# EAGLE board D-M-005_otherEagle (EAGLE 9.7.0), part 1 of 2
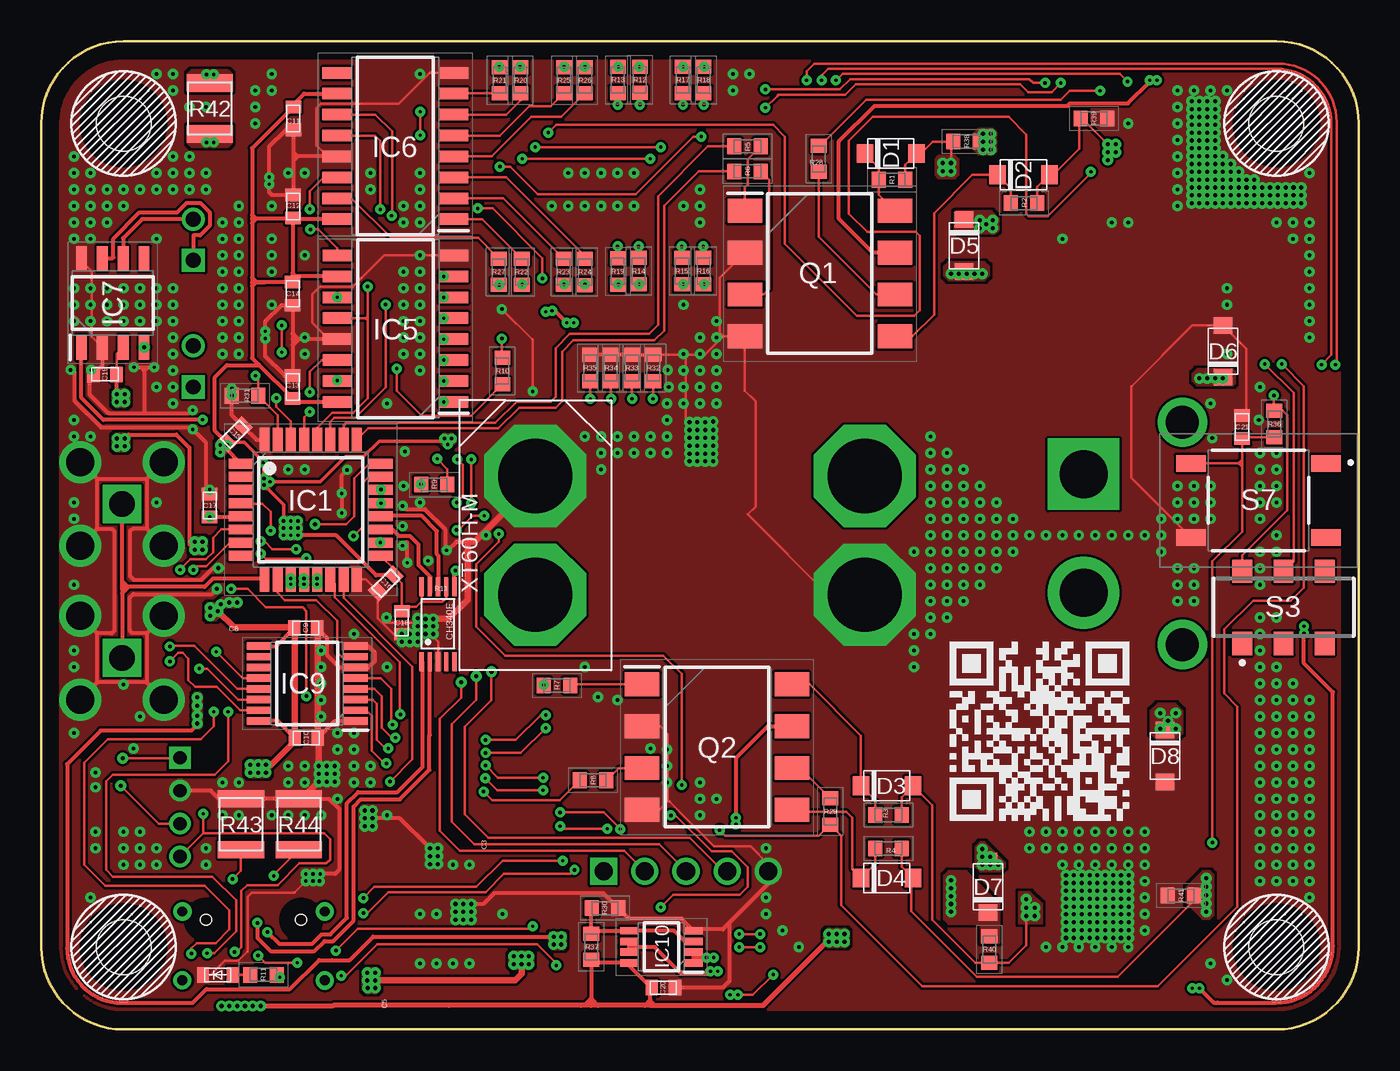
[diagram p0: board, top side]
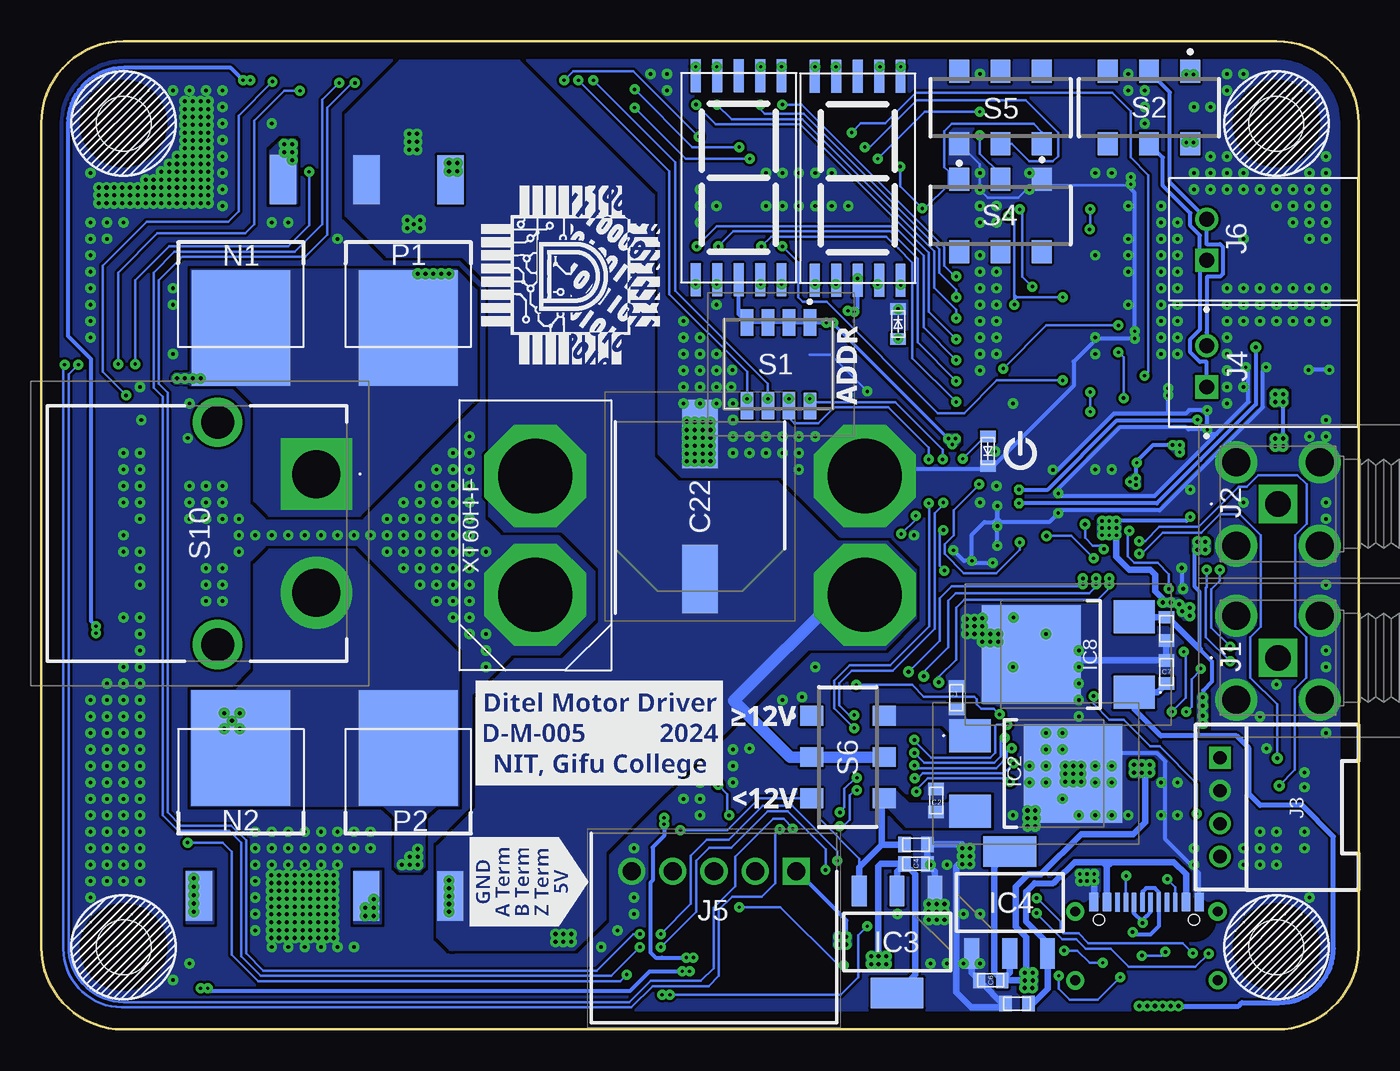
[diagram p1: board, bottom side, seen from below]

Size 80 x 60 mm. Coordinates in mm from the lower left corner, seen from the top.
Outline: 0,55 arc-90 5,60 75,60 arc-90 80,55 80,5 arc-90 75,0 5,0 arc-90 0,5 0,55
Copper layers (1*16): Top 0.035mm / dielectric 1.5mm / Bottom 0.035mm
Design rules "default *": minimum track width 6mil, minimum drill 0.099mm, track to track 6mil, track to pad 6mil, pad to pad 6mil, via to via 6mil, smd to smd 6mil, copper to edge 40mil, drill to drill 6mil, minimum pad ring 10mil, minimum via ring 8mil, stop-mask expansion 4mil, vias tented up to drill 0.2mm, thermal gap 10mil
Holes 3.3 mm at 5,55 5,5 75,55 75,5

## Footprints (pad centres in the part's own frame; a part is rotated, then mirrored left to right if it is on the bottom)
GL9D03M = smd 0.6 x 2: 1 0,-12.42; 2 1.3,-12.42; 3 2.6,-12.42; 4 3.9,-12.42; 5 5.2,-12.42; 6 5.2,-0.02; 7 3.9,-0.02; 8 2.6,-0.02; 9 1.3,-0.02; 10 0,-0.02
CAPC1608X90N = smd 0.75 x 0.94: 1 -0.7,0; 2 0.7,0
CAPAE1030X1080N = smd 4.15 x 2.15: 1 -4.4,0; 2 4.4,0
SODFL3618X110N = smd 1 x 1.13: 1 -1.575,0; 2 1.575,0
LEDC1608X36N = smd 0.7 x 0.95: 1 -0.9,0; 2 0.9,0
QFP80P900X900X160-32N = smd 1.475 x 0.6: 1 -4.238,2.8; 2 -4.238,2; 3 -4.238,1.2; 4 -4.238,0.4; 5 -4.238,-0.4; 6 -4.238,-1.2; 7 -4.238,-2; 8 -4.238,-2.8; 17 4.238,-2.8; 18 4.238,-2; 19 4.238,-1.2; 20 4.238,-0.4; 21 4.238,0.4; 22 4.238,1.2; 23 4.238,2; 24 4.238,2.8 | smd 0.6 x 1.475: 9 -2.8,-4.238; 10 -2,-4.238; 11 -1.2,-4.238; 12 -0.4,-4.238; 13 0.4,-4.238; 14 1.2,-4.238; 15 2,-4.238; 16 2.8,-4.238; 25 2.8,4.238; 26 2,4.238; 27 1.2,4.238; 28 0.4,4.238; 29 -0.4,4.238; 30 -1.2,4.238; 31 -2,4.238; 32 -2.8,4.238
NJM7812SDL1 = smd 2 x 2.5: 1 -2.3,-4.055; 3 2.3,-4.055 | smd 6 x 6: 2 0,2.195
SOT230P700X180-4N = smd 1.85 x 0.9: 1 -3.1,2.3; 2 -3.1,0; 3 -3.1,-2.3 | smd 1.85 x 3.2: 4 3.1,0
SOIC127P780X190-16N = smd 1.775 x 0.7: 1 -3.538,4.445; 2 -3.538,3.175; 3 -3.538,1.905; 4 -3.538,0.635; 5 -3.538,-0.635; 6 -3.538,-1.905; 7 -3.538,-3.175; 8 -3.538,-4.445; 9 3.538,-4.445; 10 3.538,-3.175; 11 3.538,-1.905; 12 3.538,-0.635; 13 3.538,0.635; 14 3.538,1.905; 15 3.538,3.175; 16 3.538,4.445
SOIC127P600X175-8N = smd 1.5 x 0.65: 1 -2.7,1.905; 2 -2.7,0.635; 3 -2.7,-0.635; 4 -2.7,-1.905; 5 2.7,-1.905; 6 2.7,-0.635; 7 2.7,0.635; 8 2.7,1.905
NJM7805SDL1TE1 = smd 2 x 2.5: 1 -2.3,-4.055; 3 2.3,-4.055 | smd 6 x 6: 2 0,2.195
SOP65P640X120-16N = smd 1.475 x 0.45: 1 -2.938,2.275; 2 -2.938,1.625; 3 -2.938,0.975; 4 -2.938,0.325; 5 -2.938,-0.325; 6 -2.938,-0.975; 7 -2.938,-1.625; 8 -2.938,-2.275; 9 2.938,-2.275; 10 2.938,-1.625; 11 2.938,-0.975; 12 2.938,-0.325; 13 2.938,0.325; 14 2.938,0.975; 15 2.938,1.625; 16 2.938,2.275
SOP65P400X100-8N = smd 1.1 x 0.45: 1 -1.95,0.975; 2 -1.95,0.325; 3 -1.95,-0.325; 4 -1.95,-0.975; 5 1.95,-0.975; 6 1.95,-0.325; 7 1.95,0.325; 8 1.95,0.975
CH340E = smd 1.15 x 0.25: CTS# 0,-2; GND 0,-1; RTS# 0,-1.5; RXD 4.55,-0.5; TNOW 4.55,-2; TXD 4.55,-1; UD+ 0,0; UD- 0,-0.5; V3 4.55,0; VCC 4.55,-1.5
S037TGG = drill 1.55 pad 2.325 square: 1 0,0 | drill 1.7 pad 2.55: 2 -2.54,-2.54; 3 2.54,-2.54; 4 2.54,2.54; 5 -2.54,2.54
HW4-2.0-90D = drill 0.8 pad 1.27 square: 1 -3,0 | drill 0.8 pad 1.27: 2 -1,0; 3 1,0; 4 3,0
S2B-XH-A = drill 0.9 square: 1 0,0 | drill 0.9: 2 2.5,0
SHDRRA5W64P0X250_1X5_1490X1150 = drill 1.1 pad 1.65 square: 1 0,0 | drill 1.1 pad 1.65: 2 2.5,0; 3 5,0; 4 7.5,0; 5 10,0
NP52N06SLG-E1-AY = smd 6 x 7: D 0,0.11 | smd 1.6 x 3: G -2.55,-8.89; S 2.55,-8.89
TJ60S04M3L = smd 6 x 7: D 0,0.11 | smd 1.6 x 3: G -2.55,-8.89; S 2.55,-8.89
SOP254P1016X460-8N = smd 2.1 x 1.45: 1 -4.55,3.81; 2 -4.55,1.27; 3 -4.55,-1.27; 4 -4.55,-3.81; 5 4.55,-3.81; 6 4.55,-1.27; 7 4.55,1.27; 8 4.55,3.81
RESC1608X55N = smd 0.85 x 0.95: 1 -0.8,0; 2 0.8,0
RESC3226X70N = smd 1.05 x 2.8: 1 -1.55,0; 2 1.55,0
CHS04TA1 = smd 0.76 x 1.6: 1 -1.905,-2.54; 2 -0.635,-2.54; 3 0.635,-2.54; 4 1.905,-2.54; 5 1.905,2.54; 6 0.635,2.54; 7 -0.635,2.54; 8 -1.905,2.54
SSSS213202 = smd 1.2 x 1.4: 1 -2.5,-2.2; 2 0,-2.2; 3 2.5,-2.2; 4 -2.5,2.2; 5 0,2.2; 6 2.5,2.2
TS06104 = smd 1.8 x 1: A1 4.1,2.25; B1 -4.1,2.25; C1 4.1,-2.25; D1 -4.1,-2.25
XT60H-M = drill 4.5 pad 6.2 octagon: + -3.6,0; - 3.6,0
XT60H-F = drill 4.5 pad 6.2 octagon: + -3.6,0; - 3.6,0
XT60PWM = drill 2.9 pad 4.35 square: 1 0,0 | drill 2.9 pad 4.35: 2 7.2,0 | drill 2 pad 3: MH1 -3.15,-6; MH2 10.35,-6
5077CR-16-SMC2-BK-TR = smd 0.6 x 1.14: A1,B12:GND -3.2,0; A4,B9:VBUS -2.4,0; B1,A12:GND 3.2,0; B4,A9:VBUS 2.4,0 | smd 0.3 x 1.14: A5:CC1 -1.25,0; A6:DP1 -0.25,0; A7:DN1 0.25,0; A8:SBU1 1.25,0; B5:CC2 1.75,0; B6:DP2 0.75,0; B7:DN2 -0.75,0; B8:SBU2 -1.75,0 | drill 0.6 pad 1 slot 1.7 rotated 90: SHEILED1 -4.321,-0.571; SHEILED2 4.32,-0.571 | drill 0.6 pad 1 slot 1.4 rotated 90: SHEILED3 -4.321,-4.751; SHEILED4 4.321,-4.747 | hole 0.65: -2.89,-1.07; 2.89,-1.07

## Placement (x,y rotation side)
7SEG1  GL9D03M  [GL9D03M]  40.25,57.93 0 bottom
7SEG2  GL9D03M  [GL9D03M]  33.03,57.9 0 bottom
C1  GRM188F11H104ZA01D  [CAPC1608X90N]  24.44,20.14 90 bottom
C2  GRM188F11H104ZA01D  [CAPC1608X90N]  25.66,13.89 270 bottom
C3  GRM188F11H104ZA01D  [CAPC1608X90N]  26.88,11.22 180 bottom
C4  GRM188F11H104ZA01D  [CAPC1608X90N]  26.89,10.05 180 bottom
C5  GRM188F11H104ZA01D  [CAPC1608X90N]  20.76,1.56 0 bottom
C6  GRM188F11H104ZA01D  [CAPC1608X90N]  22.35,2.98 0 bottom
C7  GRM188F11H104ZA01D  [CAPC1608X90N]  11.68,21.71 90 bottom
C8  GRM188F11H104ZA01D  [CAPC1608X90N]  11.68,24.32 270 bottom
C9  GRM188F11H104ZA01D  [CAPC1608X90N]  16.06,24.37 180 top
C10  GRM188F11H104ZA01D  [CAPC1608X90N]  16.09,17.69 180 top
C11  GRM188F11H104ZA01D  [CAPC1608X90N]  15.31,55.3 90 top
C12  GRM188F11H104ZA01D  [CAPC1608X90N]  15.3,49.95 270 top
C13  GRM188F11H104ZA01D  [CAPC1608X90N]  15.26,39.01 270 top
C14  GRM188F11H104ZA01D  [CAPC1608X90N]  15.27,44.67 90 top
C15  GRM188F11H104ZA01D  [CAPC1608X90N]  11.76,36.13 225 top
C16  GRM188F11H104ZA01D  [CAPC1608X90N]  20.93,27.08 45 top
C17  GRM188F11H104ZA01D  [CAPC1608X90N]  10.23,31.81 270 top
C18  GRM188F11H104ZA01D  [CAPC1608X90N]  21.9,24.69 90 top
C19  GRM188F11H104ZA01D  [CAPC1608X90N]  3.88,39.78 0 top
C20  GRM188F11H104ZA01D  [CAPC1608X90N]  37.77,2.54 180 top
C21  GRM188F11H104ZA01D  [CAPC1608X90N]  72.91,36.57 270 top
C22  UUD1H221MNL1GS  [CAPAE1030X1080N]  40,31.75 90 bottom
D1  GS1010FL  [SODFL3618X110N]  51.58,53.18 0 top
D2  GS1010FL  [SODFL3618X110N]  59.64,51.89 0 top
D3  GS1010FL  [SODFL3618X110N]  51.34,14.79 0 top
D4  GS1010FL  [SODFL3618X110N]  51.34,9.2 0 top
D5  GS1010FL  [SODFL3618X110N]  56.03,47.59 270 top
D6  GS1010FL  [SODFL3618X110N]  71.75,41.18 90 top
D7  GS1010FL  [SODFL3618X110N]  57.49,8.66 90 top
D8  GS1010FL  [SODFL3618X110N]  68.23,16.6 270 top
DATA_TRANSMISSION_LED  SML-E12P8WT86  [LEDC1608X36N]  10.72,3.31 0 top
IC1  STM32F303K8T6  [QFP80P900X900X160-32N]  16.36,31.55 0 top
IC2  NJM7812SDL1  [NJM7812SDL1]  19.55,15.53 270 bottom
IC3  AZ1117CH-3.3TRG1  [SOT230P700X180-4N]  28.04,5.32 270 bottom
IC4  AZ1117CH-3.3TRG1  [SOT230P700X180-4N]  21.2,7.7 90 bottom
IC5  TC74HC595AF  [SOIC127P780X190-16N]  21.51,42.55 180 top
IC6  TC74HC595AF  [SOIC127P780X190-16N]  21.5,53.64 180 top
IC7  MCP2561T-H_SN  [SOIC127P600X175-8N]  4.35,44.11 90 top
IC8  NJM7805SDL1-TE1  [NJM7805SDL1TE1]  17.7,22.77 90 bottom
IC9  SN74LV166APWR  [SOP65P640X120-16N]  16.15,21 180 top
IC10  NJM2904M-TE1  [SOP65P400X100-8N]  37.65,5.01 180 top
IC11  CH340E  [CH340E]  23.09,22.33 90 top
J1  S-037-TGG  [S037TGG]  4.91,22.56 180 bottom
J2  S-037-TGG  [S037TGG]  4.91,31.91 180 bottom
J3  4P-2.0-90D  [HW4-2.0-90D]  8.42,13.49 270 bottom
J4  S2B-XH-A  [S2B-XH-A]  9.24,39.01 90 bottom
J5  S5B-XH-A_LF__SN_  [SHDRRA5W64P0X250_1X5_1490X1150]  34.15,9.6 180 bottom
J6  S2B-XH-A  [S2B-XH-A]  9.24,46.7 90 bottom
N1  NP52N06SLG-E1-AY  [NP52N06SLG-E1-AY]  67.87,42.7 180 bottom
N2  NP52N06SLG-E1-AY  [NP52N06SLG-E1-AY]  67.88,16.98 0 bottom
P1  TJ60S04M3L  [TJ60S04M3L]  57.71,42.7 180 bottom
P2  TJ60S04M3L  [TJ60S04M3L]  57.72,16.98 0 bottom
POWER_LED  SML-E12P8WT86  [LEDC1608X36N]  22.52,35.11 90 bottom
Q1  TLP621-2SMT_R  [SOP254P1016X460-8N]  47.28,45.89 0 top
Q2  TLP621-2SMT_R  [SOP254P1016X460-8N]  41.03,17.14 0 top
R1  RC0603J100R  [RESC1608X55N]  51.66,51.59 0 top
R2  RC0603J100R  [RESC1608X55N]  59.67,50.17 0 top
R3  RC0603J100R  [RESC1608X55N]  51.43,13.02 180 top
R4  RC0603J100R  [RESC1608X55N]  51.43,10.98 180 top
R5  RC0603J100R  [RESC1608X55N]  42.89,53.62 0 top
R6  RC0603J100R  [RESC1608X55N]  42.89,52.1 0 top
R7  RC0603J100R  [RESC1608X55N]  31.31,20.88 0 top
R8  RC0603J100R  [RESC1608X55N]  33.51,15.12 0 top
R9  RC0603J100R  [RESC1608X55N]  23.87,33.07 0 top
R10  RC0603J100R  [RESC1608X55N]  28,39.97 90 top
R11  RC0603J100R  [RESC1608X55N]  13.51,3.31 180 top
R12  RC0603J120R  [RESC1608X55N]  36.35,57.66 90 top
R13  RC0603J120R  [RESC1608X55N]  35.02,57.65 90 top
R14  RC0603J120R  [RESC1608X55N]  36.28,46.04 270 top
R15  RC0603J120R  [RESC1608X55N]  38.91,46.04 270 top
R16  RC0603J120R  [RESC1608X55N]  40.22,46.04 270 top
R17  RC0603J120R  [RESC1608X55N]  38.95,57.65 90 top
R18  RC0603J120R  [RESC1608X55N]  40.22,57.65 90 top
R19  RC0603J120R  [RESC1608X55N]  35.01,46.02 270 top
R20  RC0603J120R  [RESC1608X55N]  29.11,57.63 90 top
R21  RC0603J120R  [RESC1608X55N]  27.84,57.63 90 top
R22  RC0603J120R  [RESC1608X55N]  29.17,46 270 top
R23  RC0603J120R  [RESC1608X55N]  31.71,46 270 top
R24  RC0603J120R  [RESC1608X55N]  33.02,45.99 270 top
R25  RC0603J120R  [RESC1608X55N]  31.74,57.63 90 top
R26  RC0603J120R  [RESC1608X55N]  33.01,57.63 90 top
R27  RC0603J120R  [RESC1608X55N]  27.79,46 270 top
R28  RC0603J2K  [RESC1608X55N]  47.21,52.86 90 top
R29  RC0603J2K  [RESC1608X55N]  47.9,13.24 270 top
R30  RC0603J10K  [RESC1608X55N]  34.23,7.36 180 top
R31  RC0603J10K  [RESC1608X55N]  12.38,38.48 0 top
R32  RC0603J10K  [RESC1608X55N]  37.16,40.15 270 top
R33  RC0603J10K  [RESC1608X55N]  35.87,40.15 270 top
R34  RC0603J10K  [RESC1608X55N]  34.57,40.15 270 top
R35  RC0603J10K  [RESC1608X55N]  33.33,40.15 270 top
R36  RC0603J10K  [RESC1608X55N]  74.86,36.75 90 top
R37  RC0603J15K  [RESC1608X55N]  33.39,5.02 270 top
R38  RC0603J20K  [RESC1608X55N]  56.19,53.91 0 top
R39  RC0603J20K  [RESC1608X55N]  63.93,55.31 180 top
R40  RC0603J20K  [RESC1608X55N]  57.56,4.85 90 top
R41  RC0603J20K  [RESC1608X55N]  69.21,8.12 0 top
R42  RK73B2ETTD121J  [RESC3226X70N]  10.24,55.91 90 top
R43  RK73B2ETTD512J  [RESC3226X70N]  12.13,12.45 270 top
R44  RK73B2ETTD512J  [RESC3226X70N]  15.65,12.45 270 top
S1  CHS-04TA1  [CHS04TA1]  35.24,40.38 180 bottom
S2  SSSS213202  [SSSS213202]  12.74,55.97 180 bottom
S3  SSSS213202  [SSSS213202]  75.43,25.63 0 top
S4  SSSS213202  [SSSS213202]  21.75,49.42 180 bottom
S5  SSSS213202  [SSSS213202]  21.75,55.97 0 bottom
S6  SSSS213202  [SSSS213202]  31.02,16.54 270 bottom
S7  TS-06104  [TS06104]  73.91,32.12 0 top
S8  XT60H-M  [XT60H-M]  30,30 90 top
S9  XT60H-F  [XT60H-F]  50,30 270 bottom
S10  XT60PW-M  [XT60PWM]  63.29,33.71 270 bottom
U$4  5077CR-16-SMC2-BK-TR  [5077CR-16-SMC2-BK-TR]  12.89,7.73 0 bottom
UART_LED  SML-E12P8WT86  [LEDC1608X36N]  27.97,42.83 270 bottom

## Library data of the parts
7SEG1 7SEG2 = GL9D03M
C1-C21 = GRM188F11H104ZA01D_2; DESCRIPTION: Multilayer Ceramic Capacitors MLCC - SMD/SMT 0603 0.10uF 50volt F +80/-20%; HEIGHT: 0.9mm; MANUFACTURER_NAME: Murata Electronics; MANUFACTURER_PART_NUMBER: GRM188F11H104ZA01D; MOUSER_PART_NUMBER: 81-GRM188F11H104ZA1D; MOUSER_PRICE-STOCK: https://www.mouser.co.uk/ProductDetail/Murata-Electronics/GRM188F11H104ZA01D?qs=f2jQ6kmD2TvlbTQfIom8Rw%3D%3D
C22 = UUD1H221MNL1GS; ARROW_PART_NUMBER: UUD1H221MNL1GS; ARROW_PRICE-STOCK: https://www.arrow.com/en/products/uud1h221mnl1gs/nichicon?region=nac; DESCRIPTION: Al Cap UD series SMT 220uF 50V Nichicon 220uF 50 V Aluminium Electrolytic Capacitor, UD Series 5000h 10 (Dia.) x 10mm; HEIGHT: 10.8mm; MANUFACTURER_NAME: Nichicon; MANUFACTURER_PART_NUMBER: UUD1H221MNL1GS; MOUSER_PART_NUMBER: 647-UUD1H221MNL; MOUSER_PRICE-STOCK: https://www.mouser.co.uk/ProductDetail/Nichicon/UUD1H221MNL1GS?qs=vtpzqDgAobnaECklx3mHVg%3D%3D
D1-D8 = GS1010FL; DESCRIPTION: Surface general purpose rectifier; HEIGHT: 1.1mm; MANUFACTURER_NAME: PANJIT; MANUFACTURER_PART_NUMBER: GS1010FL
DATA_TRANSMISSION_LED POWER_LED UART_LED = SML-E12P8WT86; ARROW_PART_NUMBER: SML-E12P8WT86; ARROW_PRICE-STOCK: https://www.arrow.com/en/products/sml-e12p8wt86/rohm-semiconductor; DESCRIPTION: Standard LEDs - SMD SMD Green 2.5-16 mcd; HEIGHT: 0.36mm; MANUFACTURER_NAME: ROHM Semiconductor; MANUFACTURER_PART_NUMBER: SML-E12P8WT86; MOUSER_PART_NUMBER: 755-SML-E12P8WT86; MOUSER_PRICE-STOCK: https://www.mouser.co.uk/ProductDetail/ROHM-Semiconductor/SML-E12P8WT86?qs=4kLU8WoGk0vBFbk40ZI0Fw%3D%3D
IC1 = STM32F303K8T6; ARROW_PART_NUMBER: STM32F303K8T6; ARROW_PRICE-STOCK: https://www.arrow.com/en/products/stm32f303k8t6/stmicroelectronics; DESCRIPTION: ARM Microcontrollers - MCU 16/32-BITS MICROS; HEIGHT: 1.6mm; MANUFACTURER_NAME: STMicroelectronics; MANUFACTURER_PART_NUMBER: STM32F303K8T6; MOUSER_PART_NUMBER: 511-STM32F303K8T6; MOUSER_PRICE-STOCK: https://www.mouser.co.uk/ProductDetail/STMicroelectronics/STM32F303K8T6?qs=9MuLHSkliconZih9IS1ieg%3D%3D
IC2 = NJM7812SDL1
IC3 IC4 = AZ1117CH-3.3TRG1; ARROW_PART_NUMBER: AZ1117CH-3.3TRG1; ARROW_PRICE-STOCK: https://www.arrow.com/en/products/az1117ch-3.3trg1/diodes-incorporated?region=nac; DESCRIPTION: 1.35A 3.3V LDO Reg. Current Limit SOT223 DiodesZetex AZ1117CH-3.3TRG1, LDO Voltage Regulator, 0.8A, 3.3 V +/-1%, maximum of 15 Vin, 3-Pin SOT-223; HEIGHT: 1.8mm; MANUFACTURER_NAME: Diodes Inc.; MANUFACTURER_PART_NUMBER: AZ1117CH-3.3TRG1; MOUSER_PART_NUMBER: 621-AZ1117CH-3.3TRG1; MOUSER_PRICE-STOCK: https://www.mouser.co.uk/ProductDetail/Diodes-Incorporated/AZ1117CH-3.3TRG1?qs=FKu9oBikfSm7ntaG6olPSQ%3D%3D
IC5 IC6 = TC74HC595AF; DESCRIPTION: Counter Shift Registers 8-Bit Register/Latch Tri-State; HEIGHT: 1.9mm; MANUFACTURER_NAME: Toshiba; MANUFACTURER_PART_NUMBER: TC74HC595AF; MOUSER_PART_NUMBER: 757-TC74HC595AF; MOUSER_PRICE-STOCK: https://www.mouser.co.uk/ProductDetail/Toshiba/TC74HC595AF?qs=YSwmw3WEQ5RcoaYpzlb%252Bfw%3D%3D
IC7 = MCP2561T-H_SN; ARROW_PART_NUMBER: MCP2561T-H/SN; ARROW_PRICE-STOCK: https://www.arrow.com/en/products/mcp2561t-hsn/microchip-technology?region=nac; DESCRIPTION: CAN 1Mbps 5V Automotive 8-Pin SOIC N T/R; HEIGHT: 1.75mm; MANUFACTURER_NAME: Microchip; MANUFACTURER_PART_NUMBER: MCP2561T-H/SN; MOUSER_PART_NUMBER: 579-MCP2561T-H/SN; MOUSER_PRICE-STOCK: https://www.mouser.co.uk/ProductDetail/Microchip-Technology/MCP2561T-H-SN?qs=6qKXPk0vzx30ICTOcV%2F0gw%3D%3D
IC8 = NJM7805SDL1-TE1; DESCRIPTION: Linear Voltage Regulator IC Positive Fixed 1 Output 1.5A TO-252-3; HEIGHT: 2.63mm; MANUFACTURER_NAME: Nisshinbo; MANUFACTURER_PART_NUMBER: NJM7805SDL1-TE1; MOUSER_PART_NUMBER: 513-NJM7805SDL1-TE1; MOUSER_PRICE-STOCK: https://www.mouser.co.uk/ProductDetail/Nisshinbo/NJM7805SDL1-TE1?qs=GBLSl2AkirtxkrsaOjZilw%3D%3D
IC9 = SN74LV166APWR; ARROW_PART_NUMBER: SN74LV166APWR; ARROW_PRICE-STOCK: https://www.arrow.com/en/products/sn74lv166apwr/texas-instruments; DESCRIPTION: 8-Bit Parallel-Load Shift Registers; HEIGHT: 1.2mm; MANUFACTURER_NAME: Texas Instruments; MANUFACTURER_PART_NUMBER: SN74LV166APWR; MOUSER_PART_NUMBER: 595-SN74LV166APWR; MOUSER_PRICE-STOCK: https://www.mouser.co.uk/ProductDetail/Texas-Instruments/SN74LV166APWR?qs=LzFo6vGRJ4t%252BKw5aGzWNzA%3D%3D
IC10 = 1206W4F1200T5E; DESCRIPTION: NJM2904D Series 0.5 V/us Surface Mount Dual Operational Amplifier - DMP-8; HEIGHT: 1mm; MANUFACTURER_NAME: New Japan Radio; MANUFACTURER_PART_NUMBER: NJM2904M-TE1; MOUSER_PART_NUMBER: 513-NJM2904M-TE1; MOUSER_PRICE-STOCK: https://www.mouser.co.uk/ProductDetail/NJR/NJM2904M-TE1?qs=7x5O%252BBkfEwvY2wzmxbVQ3A%3D%3D
IC11 = CH340E
J1 J2 = S-037-TGG; DESCRIPTION: Horizontal SMA connector for board; HEIGHT: 10.3mm; MANUFACTURER_NAME: Cosmtec; MANUFACTURER_PART_NUMBER: S-037-TGG
J3 = OPL_Connector
J4 J6 = Connector; CATEGORY: Headers; DESCRIPTION: Connector Header Through Hole, Right Angle 2 position 0.098" (2.50mm); MANUFACTURER: JST Sales America Inc.; MPN: S2B-XH-A-1(LF)(SN); OPERATING_TEMPERATURE: -25°C ~ 85°C; PART_STATUS: Active; PITCH: 0.098" (2.50mm); ROHS_COMPLIANCE: ROHS3 Compliant; SERIES: XH; SUB-CATEGORY: Rectangular Connectors; TYPE: Header, Male Pin, Board to Cable/Wire, Through Hole
J5 = S5B-XH-A_LF__SN_; ARROW_PART_NUMBER: S5B-XH-A(LF)(SN); ARROW_PRICE-STOCK: https://www.arrow.com/en/products/s5b-xh-a-lf-sn/jst-manufacturing?region=europe; DESCRIPTION: JST XH Series, Series Number S5B, 2.5mm Pitch 5 Way 1 Row Right Angle PCB Header, Solder Termination, 3A; HEIGHT: 6.1mm; MANUFACTURER_NAME: JST (JAPAN SOLDERLESS TERMINALS); MANUFACTURER_PART_NUMBER: S5B-XH-A(LF)(SN)
N1 N2 = NP52N06SLG-E1-AY
P1 P2 = TJ60S04M3L; DESCRIPTION: P-Channel 40 V 60A (Ta) 90W (Tc) Surface Mount DPAK+; HEIGHT: 2.7mm; MANUFACTURER_NAME: Toshiba; MANUFACTURER_PART_NUMBER: TJ60S04M3L
Q1 Q2 = TLP621-2SMT&R; ARROW_PART_NUMBER: TLP621-2SMT&R; ARROW_PRICE-STOCK: https://www.arrow.com/en/products/tlp621-2smtr/isocom; DESCRIPTION: Isocom, TLP621-2SMT&R DC Input NPN Phototransistor Output Dual Optocoupler, Surface Mount, 8-Pin SMD; HEIGHT: 4.6mm; MANUFACTURER_NAME: Isocom; MANUFACTURER_PART_NUMBER: TLP621-2SMT&R
R1-R41 = RC0603JxxxR; DESCRIPTION: displa; HEIGHT: 0.55mm; MANUFACTURER_NAME: Faithful Link; MANUFACTURER_PART_NUMBER: RC0603J100R
R42-R44 = RK73B2ETTDxxxJ
S1 = CHS-04TA1; DESCRIPTION: SWITCH SLIDE DIP SPST 100MA 6V; HEIGHT: 2.5mm; MANUFACTURER_NAME: Copal Electronics; MANUFACTURER_PART_NUMBER: CHS-04TA1
S2-S6 = SSSS213202; DESCRIPTION: Slide Switches 1-pole 2-positions Surface Mount Slide Switch SPDT Maintained 0.3 A Slide; HEIGHT: mm; MANUFACTURER_NAME: ALPS Electric; MANUFACTURER_PART_NUMBER: SSSS213202; MOUSER_PART_NUMBER: 688-SSSS213202; MOUSER_PRICE-STOCK: https://www.mouser.co.uk/ProductDetail/Alps-Alpine/SSSS213202?qs=6EGMNY9ZYDRKFJ9qebDCNQ%3D%3D
S7 = TS-06104; DESCRIPTION: Tactile Switch; HEIGHT: 4.35mm; MANUFACTURER_NAME: Jinbeili; MANUFACTURER_PART_NUMBER: TS-06104
S8 S9 = XT60H
S10 = XT60PW-M; DESCRIPTION: Socket; DC supply; XT60; male; PIN: 2; on PCBs; THT; yellow; 30A; 500V; HEIGHT: 8.4mm; MANUFACTURER_NAME: Changzhou Amass Elec; MANUFACTURER_PART_NUMBER: XT60PW-M
U$4 = FaBo-USB

## Nets
3.3V: 7SEG1.3 7SEG2.3 C4.2 C6.2 C9.2 C10.2 C11.2 C12.2 C13.2 C14.2 C15.2 C16.2 C17.2 C18.2 IC1.1 IC1.5 IC1.17 IC3.2 IC3.4 IC4.2 IC4.4 IC5.10 IC5.16 IC6.10 IC6.16 IC9.9 IC9.16 IC11.V3 IC11.VCC R36.2 S1.1 S1.2 S1.3 S1.4 S3.4 S4.3 S5.3
5V: C8.1 C19.2 IC7.3 IC8.3 J5.1
7SEG_A1: IC5.6 R12.1
7SEG_A2: IC6.6 R20.1
7SEG_B1: IC5.7 R13.1
7SEG_B2: IC6.7 R21.1
7SEG_C1: IC5.1 R14.1
7SEG_C2: IC6.1 R22.1
7SEG_D1: IC5.2 R15.1
7SEG_D2: IC6.2 R23.1
7SEG_DP1: IC5.15 R19.1
7SEG_DP2: IC6.15 R27.1
7SEG_E1: IC5.3 R16.1
7SEG_E2: IC6.3 R24.1
7SEG_F1: IC5.5 R17.1
7SEG_F2: IC6.5 R25.1
7SEG_G1: IC5.4 R18.1
7SEG_G2: IC6.4 R26.1
7SEG_QH': IC5.9 IC6.14
7SEG_RCK: IC1.28 IC5.12 IC6.12
7SEG_SCK: IC1.27 IC5.11 IC6.11
7SEG_SI: IC1.29 IC5.14
ADD_SW1: IC9.2 R32.2 S1.5
ADD_SW2: IC9.3 R33.2 S1.6
ADD_SW3: IC9.4 R34.2 S1.7
ADD_SW4: IC9.5 R35.2 S1.8
BOOT0: IC1.31 R31.2 S3.5
CAN_H: IC7.7 J4.1 J6.1 S2.5
CAN_L: IC7.6 J4.2 J6.2 S2.2
GATE_BASE1: IC10.6 IC10.7 Q1.7
GATE_BASE2: IC10.1 IC10.2 Q2.7
GATE_N1: D2.1 Q1.5 R2.1
GATE_N2: D4.1 Q2.5 R4.2
GATE_P1: D1.1 Q1.8 R1.1
GATE_P2: D3.1 Q2.8 R3.2
GND: C1.2 C2.1 C3.1 C4.1 C5.1 C6.1 C7.2 C8.2 C9.1 C10.1 C11.1 C12.1 C13.1 C14.1 C15.1 C16.1 C17.1 C18.1 C19.1 C20.1 C21.1 C22.2 D6.2 D8.2 DATA_TRANSMISSION_LED.1 IC1.16 IC1.32 IC2.2 IC3.1 IC4.1 IC5.8 IC5.13 IC6.8 IC6.13 IC7.2 IC7.8 IC8.2 IC9.1 IC9.6 IC9.8 IC10.4 IC11.GND J1.2 J1.3 J1.4 J1.5 J2.2 J2.3 J2.4 J2.5 J3.2 J5.5 N1.S N2.S POWER_LED.1 Q1.2 Q1.4 Q2.2 Q2.4 R30.1 R31.1 R32.1 R33.1 R34.1 R35.1 R39.1 R41.1 R43.1 R44.1 S4.1 S5.1 S7.D1 S8.- S9.- U$4.A1,B12:GND U$4.B1,A12:GND UART_LED.1
LED_DATA_TRANSMISSION: IC11.TNOW R11.1
LED_POWER: IC1.18 R9.1
LED_UART: IC1.30 R10.1
MODE_ROTARY_ENCODERS: IC9.14 S4.2
MODE_WITH_ROTARY_ENCODERS: IC9.12 S5.2
N$1: D5.2 D6.1 N1.D P1.D S10.1
N$2: Q2.1 R7.2
N$3: D3.2 P2.G R3.1 R40.1
N$5: D1.2 P1.G R1.2 R38.1
N$6: D4.2 N2.G R4.1 R41.2
N$7: 7SEG1.2 R15.2
N$9: IC10.3 IC10.5 R30.2 R37.1
N$10: R43.2 U$4.B5:CC2
N$11: Q1.6 R28.1
N$12: Q1.1 R5.2
N$14: 7SEG1.1 R16.2
N$15: R42.1 S2.4
N$16: Q2.3 R8.2
N$17: D7.2 D8.1 N2.D P2.D S10.2
N$19: Q1.3 R6.2
N$22: D2.2 N1.G R2.2 R39.2
N$23: C1.1 IC2.1 S6.4
N$27: POWER_LED.2 R9.2
N$28: Q2.6 R29.1
N$32: 7SEG1.9 R17.2
N$33: R10.2 UART_LED.2
N$34: 7SEG1.10 R18.2
N$35: 7SEG1.5 R19.2
N$36: R44.2 U$4.A5:CC1
N$37: 7SEG1.4 R14.2
N$38: 7SEG1.6 R13.2
N$39: 7SEG1.7 R12.2
N$40: 7SEG2.2 R23.2
N$41: 7SEG2.1 R24.2
N$42: 7SEG2.9 R25.2
N$43: 7SEG2.10 R26.2
N$44: 7SEG2.5 R27.2
N$45: 7SEG2.4 R22.2
N$46: 7SEG2.6 R21.2
N$47: 7SEG2.7 R20.2
N$56: R42.2 S2.1
N$61: DATA_TRANSMISSION_LED.2 R11.2
NRST: C21.2 IC1.4 J3.4 R36.1 S7.B1
PC_UART_RXD: IC1.20 IC11.TXD
PC_UART_TXD: IC1.19 IC11.RXD
ROTARY_ENCODER_A: IC1.13 J5.4
ROTARY_ENCODER_B: IC1.12 J5.3
ROTARY_ENCODER_Z: IC1.11 J5.2
RXD: IC1.21 IC7.4
SIG_N1: IC1.26 R5.1
SIG_N2: IC1.14 R7.1
SIG_P1: IC1.25 R6.1
SIG_P2: IC1.15 R8.1
SW_CLK: IC1.10 IC9.7
SW_QH: IC1.6 IC9.13
SW_SH/LD: IC1.7 IC9.15
SWCLK: IC1.24 J3.3
SWDIO: IC1.23 J3.1
TXD: IC1.22 IC7.1
UART_RX: IC1.9 J1.1 J2.1
USB_5V: C5.2 IC4.3 U$4.A4,B9:VBUS U$4.B4,A9:VBUS
USB_D+: IC11.UD+ U$4.A6:DP1 U$4.B6:DP2
USB_D-: IC11.UD- U$4.A7:DN1 U$4.B7:DN2
VCC: C7.1 C20.2 C22.1 D5.1 D7.1 IC8.1 IC10.8 P1.S P2.S R37.2 R38.2 R40.2 S6.2 S6.5 S8.+ S9.+
~12V: C2.2 C3.2 IC2.3 IC3.3 R28.2 R29.2 S6.3 S6.6
